# Altium PCB 智能马桶综合检测台V1.0.PcbDoc (part 5 of 10) (continued)
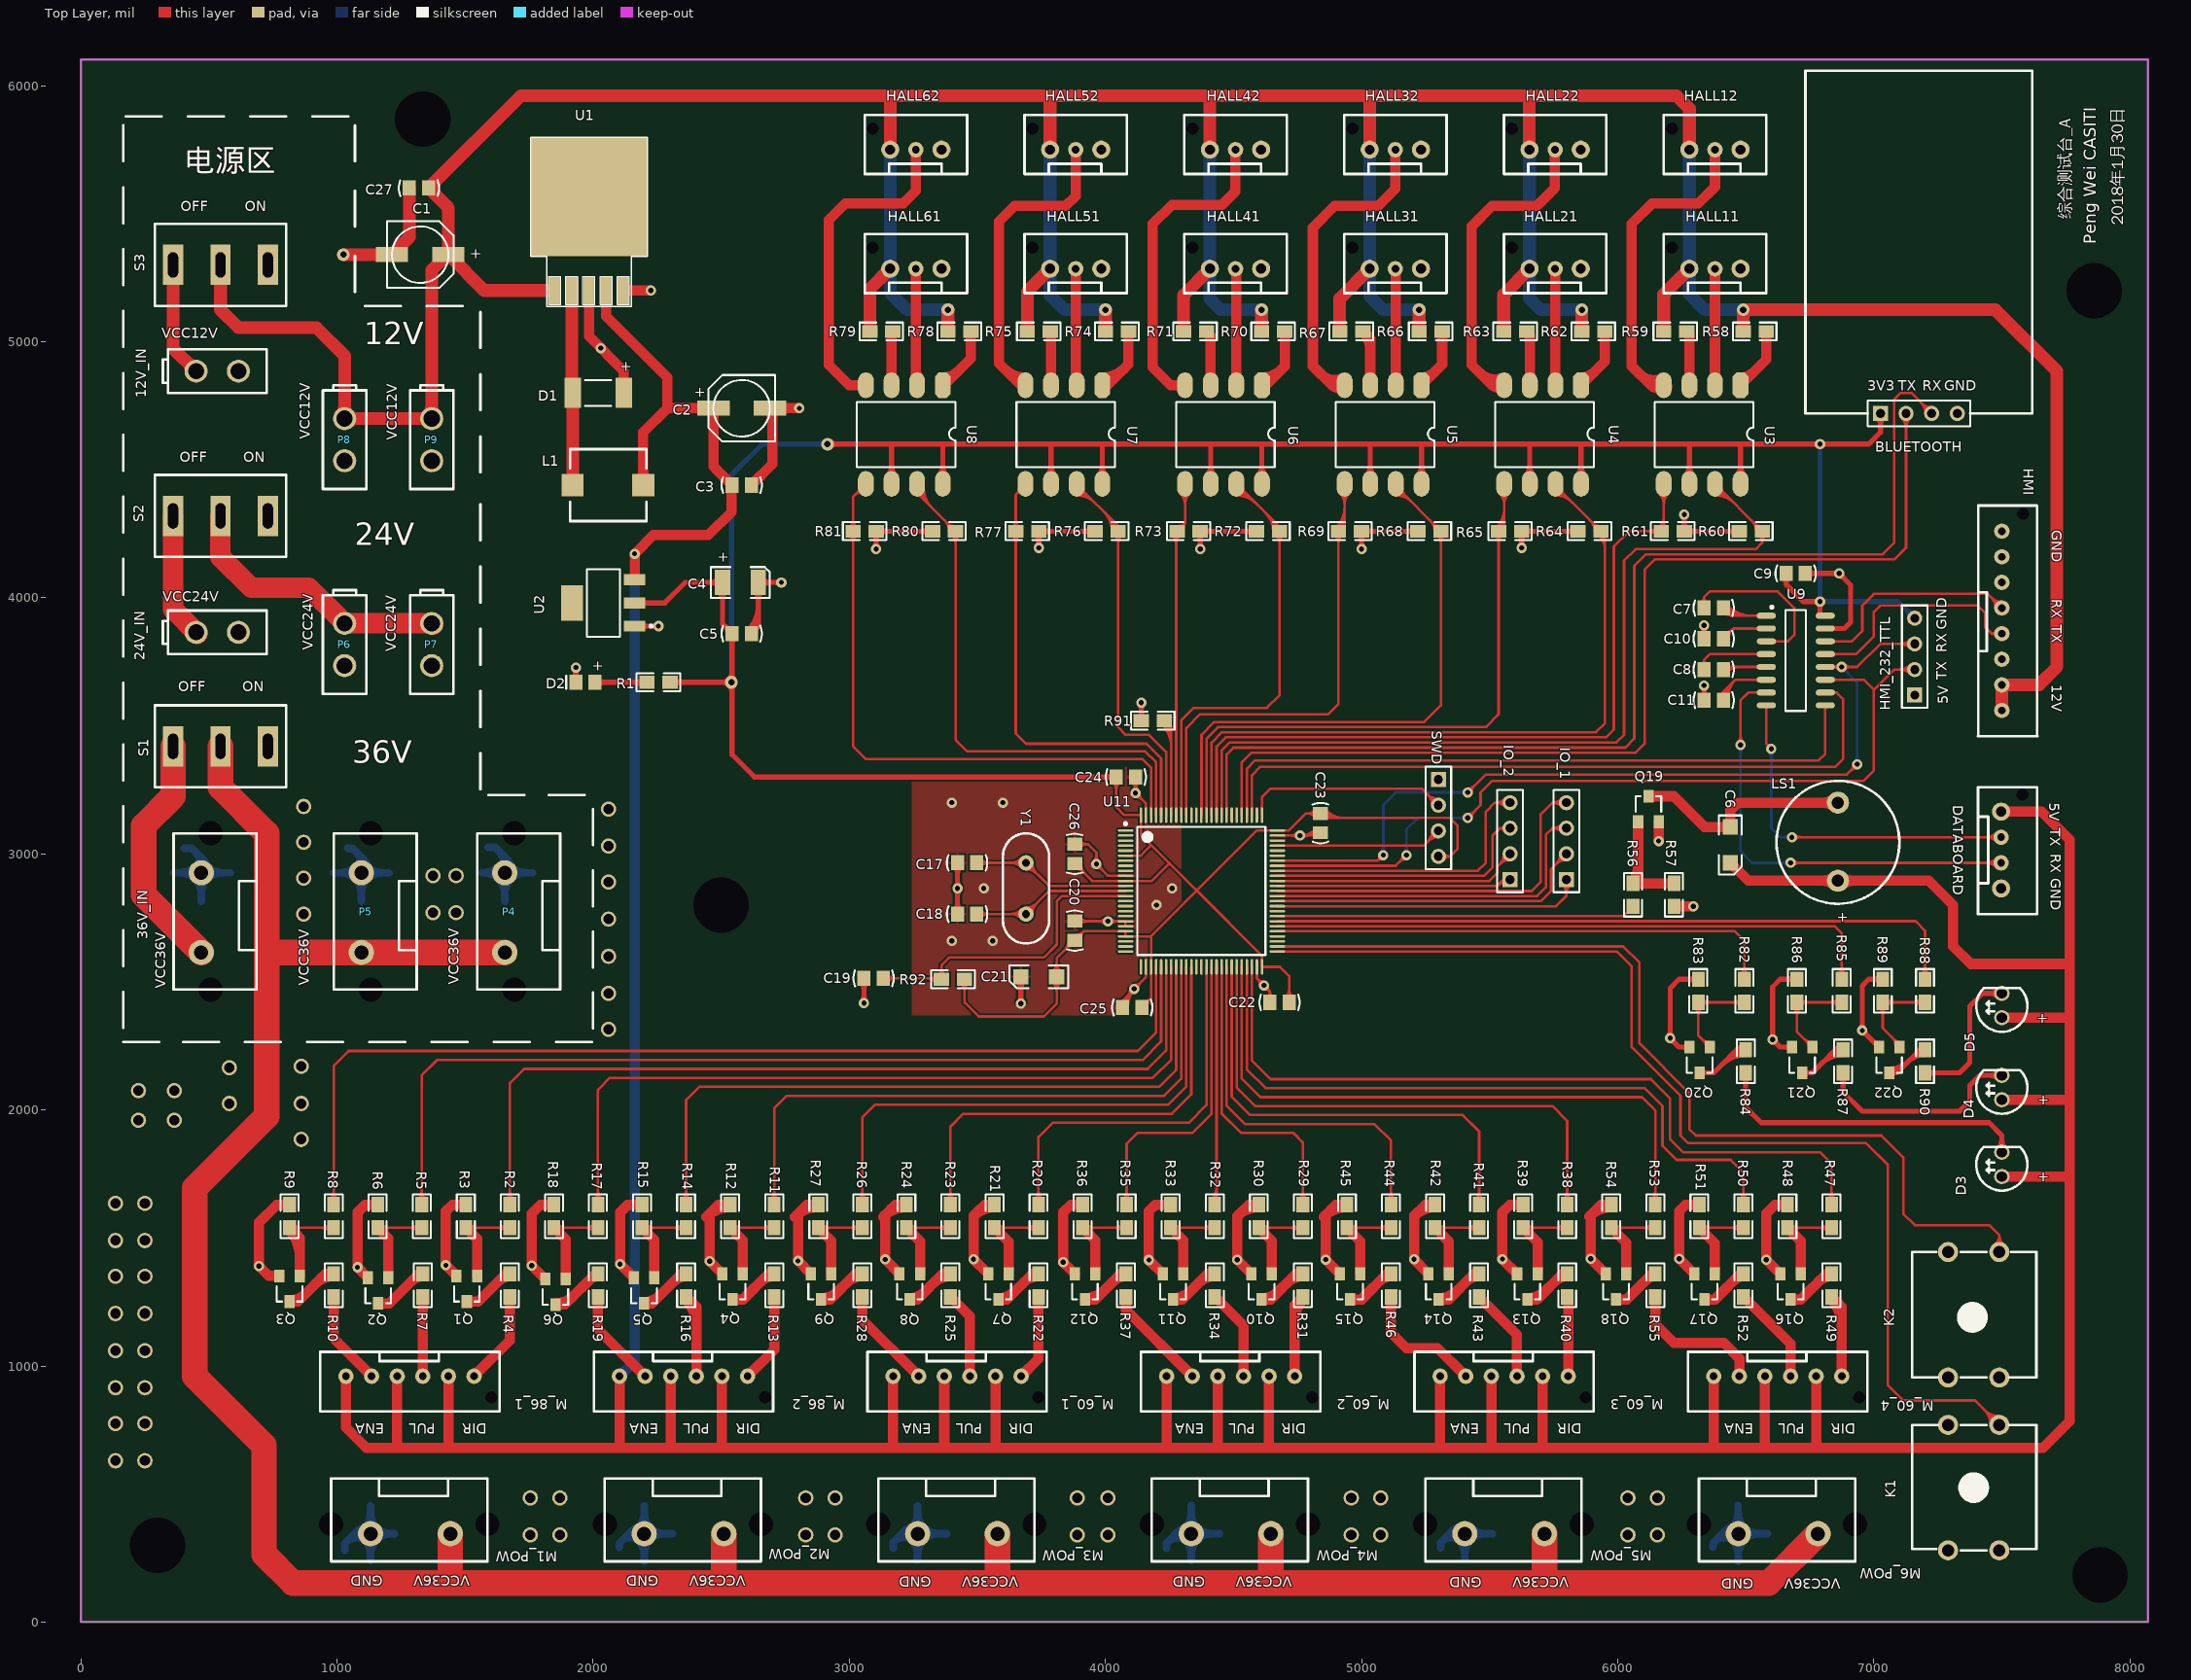
[diagram p0: Top Layer view]
## Nets (pads, with @x,y where several pads share a name; then routed paths per layer and width w, separated by ;. In a path a pad name is that pad's centre, name@x,y a point inside that pad or via, vN(x,y) a via of type N, cw(c..) or ccw(c..) an arc to the next point about the centre after c; other vN are vias at no path point) (continued)
HALL_21_IN: HALL21.2 U4.2 | length 455.4
  Top Layer w40: HALL21.2@5756,5285 5757,5284 U4.2@5757,4830
HALL_22: R65.2 U4.5 U11.87 | length 4959.9
  Top Layer w10: U11.87@4394.69,3151.26 4394.69,3449.69 4440,3495 5485,3495 5535,3545 R65.2@5535,4260 5557,4282 U4.5@5557,4445 ; R65.2@5520.86,4245.86 cw(c5486.72,4211.72) 5535,4211.72 ; R65.2@5520.86,4245.86 cw(c5486.72,4211.72) 5535,4211.72 ; R65.2@5520.86,4245.86 cw(c5486.72,4211.72) 5535,4211.72 ; R65.2@5520.86,4245.86 cw(c5486.72,4211.72) 5535,4211.72 ; R65.2@5520.86,4245.86 cw(c5486.72,4211.72) 5535,4211.72 ; R65.2@5520.86,4245.86 cw(c5486.72,4211.72) 5535,4211.72 ; R65.2@5525.86,4274.14 ccw(c5450.67,4349.33) 5557,4349.33 ; R65.2@5525.86,4274.14 ccw(c5450.67,4349.33) 5557,4349.33 ; R65.2@5525.86,4274.14 ccw(c5450.67,4349.33) 5557,4349.33 ; R65.2@5525.86,4274.14 ccw(c5450.67,4349.33) 5557,4349.33 ; R65.2@5525.86,4274.14 ccw(c5450.67,4349.33) 5557,4349.33 ; R65.2@5525.86,4274.14 ccw(c5450.67,4349.33) 5557,4349.33 ; R65.2@5532.93,4267.07 ccw(c5474.82,4325.18) 5557,4325.18 ; R65.2@5532.93,4267.07 ccw(c5474.82,4325.18) 5557,4325.18 ; R65.2@5532.93,4267.07 ccw(c5474.82,4325.18) 5557,4325.18 ; R65.2@5532.93,4267.07 ccw(c5474.82,4325.18) 5557,4325.18 ; R65.2@5532.93,4267.07 ccw(c5474.82,4325.18) 5557,4325.18 ; R65.2@5532.93,4267.07 ccw(c5474.82,4325.18) 5557,4325.18 ; 5535,4211.72 cw(c5583.28,4211.72) R65.2@5549.14,4245.86 ; 5535,4211.72 cw(c5583.28,4211.72) R65.2@5549.14,4245.86 ; 5535,4211.72 cw(c5583.28,4211.72) R65.2@5549.14,4245.86 ; 5535,4211.72 cw(c5583.28,4211.72) R65.2@5549.14,4245.86 ; 5535,4211.72 cw(c5583.28,4211.72) R65.2@5549.14,4245.86 ; 5535,4211.72 cw(c5583.28,4211.72) R65.2@5549.14,4245.86 ; U4.5@5538.62,4407.62 cw(c5494.23,4363.23) 5557,4363.23 ; U4.5@5538.62,4407.62 cw(c5494.23,4363.23) 5557,4363.23 ; U4.5@5538.62,4407.62 cw(c5494.23,4363.23) 5557,4363.23 ; U4.5@5538.62,4407.62 cw(c5494.23,4363.23) 5557,4363.23 ; U4.5@5538.62,4407.62 cw(c5494.23,4363.23) 5557,4363.23 ; U4.5@5538.62,4407.62 cw(c5494.23,4363.23) 5557,4363.23 ; R65.2@5540,4260 ccw(c5498.96,4301.04) 5557,4301.04 ; R65.2@5540,4260 ccw(c5498.96,4301.04) 5557,4301.04 ; R65.2@5540,4260 ccw(c5498.96,4301.04) 5557,4301.04 ; R65.2@5540,4260 ccw(c5498.96,4301.04) 5557,4301.04 ; R65.2@5540,4260 ccw(c5498.96,4301.04) 5557,4301.04 ; R65.2@5540,4260 ccw(c5498.96,4301.04) 5557,4301.04 ; U4.5@5545.69,4414.69 cw(c5518.37,4387.37) 5557,4387.37 ; U4.5@5545.69,4414.69 cw(c5518.37,4387.37) 5557,4387.37 ; U4.5@5545.69,4414.69 cw(c5518.37,4387.37) 5557,4387.37 ; U4.5@5545.69,4414.69 cw(c5518.37,4387.37) 5557,4387.37 ; U4.5@5545.69,4414.69 cw(c5518.37,4387.37) 5557,4387.37 ; U4.5@5545.69,4414.69 cw(c5518.37,4387.37) 5557,4387.37 ; 5557,4363.23 cw(c5619.77,4363.23) U4.5@5575.38,4407.62 ; 5557,4363.23 cw(c5619.77,4363.23) U4.5@5575.38,4407.62 ; 5557,4363.23 cw(c5619.77,4363.23) U4.5@5575.38,4407.62 ; 5557,4363.23 cw(c5619.77,4363.23) U4.5@5575.38,4407.62 ; 5557,4363.23 cw(c5619.77,4363.23) U4.5@5575.38,4407.62 ; 5557,4363.23 cw(c5619.77,4363.23) U4.5@5575.38,4407.62 ; 5557,4387.37 cw(c5595.63,4387.37) U4.5@5568.31,4414.69 ; 5557,4387.37 cw(c5595.63,4387.37) U4.5@5568.31,4414.69 ; 5557,4387.37 cw(c5595.63,4387.37) U4.5@5568.31,4414.69 ; 5557,4387.37 cw(c5595.63,4387.37) U4.5@5568.31,4414.69 ; 5557,4387.37 cw(c5595.63,4387.37) U4.5@5568.31,4414.69 ; 5557,4387.37 cw(c5595.63,4387.37) U4.5@5568.31,4414.69
HALL_22_IN: HALL22.2 U4.4 | length 2218.4
  Top Layer w40: U4.4@5562,4830 5510,4830 5430,4910 5430,5450 5510,5530 5685,5530 5755,5600 5755,5735 HALL22.2@5756,5736 ; 5463,4877 ccw(c5521.23,4935.23) U4.4@5552.79,4859.16 ; 5463,4877 ccw(c5521.23,4935.23) U4.4@5552.79,4859.16 ; 5463,4877 ccw(c5521.23,4935.23) U4.4@5552.79,4859.16 ; 5463,4877 ccw(c5521.23,4935.23) U4.4@5552.79,4859.16 ; 5463,4877 ccw(c5521.23,4935.23) U4.4@5552.79,4859.16 ; 5463,4877 ccw(c5521.23,4935.23) U4.4@5552.79,4859.16 ; 5505.31,4834.69 ccw(c5546.04,4875.42) U4.4@5568.11,4822.21 ; 5505.31,4834.69 ccw(c5546.04,4875.42) U4.4@5568.11,4822.21 ; 5505.31,4834.69 ccw(c5546.04,4875.42) U4.4@5568.11,4822.21 ; 5505.31,4834.69 ccw(c5546.04,4875.42) U4.4@5568.11,4822.21 ; 5505.31,4834.69 ccw(c5546.04,4875.42) U4.4@5568.11,4822.21 ; 5505.31,4834.69 ccw(c5546.04,4875.42) U4.4@5568.11,4822.21
HALL_31: R68.2 U5.7 U11.88 | length 4175.9
  Top Layer w10: U11.88@4375,3151.26 4375,3465 4425,3515 5245,3515 5310,3580 R68.2@5310,4260 5134,4436 U5.7@5134,4445 ; U5.7@5134,4400 cw(c5134,4313.09) 5195.46,4374.54 ; U5.7@5134,4400 cw(c5134,4313.09) 5195.46,4374.54 ; U5.7@5134,4400 cw(c5134,4313.09) 5195.46,4374.54 ; U5.7@5134,4400 cw(c5134,4313.09) 5195.46,4374.54 ; U5.7@5134,4400 cw(c5134,4313.09) 5195.46,4374.54 ; U5.7@5134,4400 cw(c5134,4313.09) 5195.46,4374.54 ; U5.7@5134,4410 cw(c5134,4347.23) 5178.38,4391.62 ; U5.7@5134,4410 cw(c5134,4347.23) 5178.38,4391.62 ; U5.7@5134,4410 cw(c5134,4347.23) 5178.38,4391.62 ; U5.7@5134,4410 cw(c5134,4347.23) 5178.38,4391.62 ; U5.7@5134,4410 cw(c5134,4347.23) 5178.38,4391.62 ; U5.7@5134,4410 cw(c5134,4347.23) 5178.38,4391.62 ; U5.7@5134,4420 cw(c5134,4381.37) 5161.31,4408.69 ; U5.7@5134,4420 cw(c5134,4381.37) 5161.31,4408.69 ; U5.7@5134,4420 cw(c5134,4381.37) 5161.31,4408.69 ; U5.7@5134,4420 cw(c5134,4381.37) 5161.31,4408.69 ; U5.7@5134,4420 cw(c5134,4381.37) 5161.31,4408.69 ; U5.7@5134,4420 cw(c5134,4381.37) 5161.31,4408.69 ; U5.7@5160,4426 ccw(c5198.63,4426) 5171.31,4398.69 ; U5.7@5160,4426 ccw(c5198.63,4426) 5171.31,4398.69 ; U5.7@5160,4426 ccw(c5198.63,4426) 5171.31,4398.69 ; U5.7@5160,4426 ccw(c5198.63,4426) 5171.31,4398.69 ; U5.7@5160,4426 ccw(c5198.63,4426) 5171.31,4398.69 ; U5.7@5160,4426 ccw(c5198.63,4426) 5171.31,4398.69 ; 5267.32,4302.68 cw(c5224.64,4260) R68.2@5285,4260 ; 5267.32,4302.68 cw(c5224.64,4260) R68.2@5285,4260 ; 5267.32,4302.68 cw(c5224.64,4260) R68.2@5285,4260 ; 5267.32,4302.68 cw(c5224.64,4260) R68.2@5285,4260 ; 5279.39,4290.61 ccw(c5305,4316.21) R68.2@5305,4280 ; 5279.39,4290.61 ccw(c5305,4316.21) R68.2@5305,4280 ; 5279.39,4290.61 ccw(c5305,4316.21) R68.2@5305,4280 ; 5279.39,4290.61 ccw(c5305,4316.21) R68.2@5305,4280 ; 5284.39,4285.61 cw(c5258.79,4260) R68.2@5295,4260 ; 5284.39,4285.61 cw(c5258.79,4260) R68.2@5295,4260 ; 5284.39,4285.61 cw(c5258.79,4260) R68.2@5295,4260 ; 5284.39,4285.61 cw(c5258.79,4260) R68.2@5295,4260 ; R68.2@5295.86,4245.86 cw(c5261.72,4211.72) 5310,4211.72 ; R68.2@5295.86,4245.86 cw(c5261.72,4211.72) 5310,4211.72 ; R68.2@5295.86,4245.86 cw(c5261.72,4211.72) 5310,4211.72 ; R68.2@5295.86,4245.86 cw(c5261.72,4211.72) 5310,4211.72 ; R68.2@5295.86,4245.86 cw(c5261.72,4211.72) 5310,4211.72 ; R68.2@5295.86,4245.86 cw(c5261.72,4211.72) 5310,4211.72 ; 5310,4211.72 cw(c5358.28,4211.72) R68.2@5324.14,4245.86 ; 5310,4211.72 cw(c5358.28,4211.72) R68.2@5324.14,4245.86 ; 5310,4211.72 cw(c5358.28,4211.72) R68.2@5324.14,4245.86 ; 5310,4211.72 cw(c5358.28,4211.72) R68.2@5324.14,4245.86 ; 5310,4211.72 cw(c5358.28,4211.72) R68.2@5324.14,4245.86 ; 5310,4211.72 cw(c5358.28,4211.72) R68.2@5324.14,4245.86
HALL_31_IN: HALL31.2 U5.2 | length 453
  Top Layer w40: U5.2@5134,4830 HALL31.2@5134,5283
HALL_32: R69.2 U5.5 U11.91 | length 4737.6
  Top Layer w10: U11.91@4315.94,3151.26 4315.94,3490.94 4370,3545 4870,3545 4910,3585 R69.2@4910,4260 4934,4284 U5.5@4934,4445 U5.5@4910,4421 ; R69.2@4895.86,4245.86 cw(c4861.72,4211.72) 4910,4211.72 ; R69.2@4895.86,4245.86 cw(c4861.72,4211.72) 4910,4211.72 ; R69.2@4895.86,4245.86 cw(c4861.72,4211.72) 4910,4211.72 ; R69.2@4895.86,4245.86 cw(c4861.72,4211.72) 4910,4211.72 ; R69.2@4895.86,4245.86 cw(c4861.72,4211.72) 4910,4211.72 ; R69.2@4895.86,4245.86 cw(c4861.72,4211.72) 4910,4211.72 ; R69.2@4900.86,4274.14 ccw(c4820.85,4354.15) 4934,4354.15 ; R69.2@4900.86,4274.14 ccw(c4820.85,4354.15) 4934,4354.15 ; R69.2@4900.86,4274.14 ccw(c4820.85,4354.15) 4934,4354.15 ; R69.2@4900.86,4274.14 ccw(c4820.85,4354.15) 4934,4354.15 ; R69.2@4900.86,4274.14 ccw(c4820.85,4354.15) 4934,4354.15 ; R69.2@4900.86,4274.14 ccw(c4820.85,4354.15) 4934,4354.15 ; R69.2@4907.93,4267.07 ccw(c4844.99,4330.01) 4934,4330.01 ; R69.2@4907.93,4267.07 ccw(c4844.99,4330.01) 4934,4330.01 ; R69.2@4907.93,4267.07 ccw(c4844.99,4330.01) 4934,4330.01 ; R69.2@4907.93,4267.07 ccw(c4844.99,4330.01) 4934,4330.01 ; R69.2@4907.93,4267.07 ccw(c4844.99,4330.01) 4934,4330.01 ; R69.2@4907.93,4267.07 ccw(c4844.99,4330.01) 4934,4330.01 ; 4910,4211.72 cw(c4958.28,4211.72) R69.2@4924.14,4245.86 ; 4910,4211.72 cw(c4958.28,4211.72) R69.2@4924.14,4245.86 ; 4910,4211.72 cw(c4958.28,4211.72) R69.2@4924.14,4245.86 ; 4910,4211.72 cw(c4958.28,4211.72) R69.2@4924.14,4245.86 ; 4910,4211.72 cw(c4958.28,4211.72) R69.2@4924.14,4245.86 ; 4910,4211.72 cw(c4958.28,4211.72) R69.2@4924.14,4245.86 ; R69.2@4915,4260 ccw(c4869.13,4305.87) 4934,4305.87 ; R69.2@4915,4260 ccw(c4869.13,4305.87) 4934,4305.87 ; R69.2@4915,4260 ccw(c4869.13,4305.87) 4934,4305.87 ; R69.2@4915,4260 ccw(c4869.13,4305.87) 4934,4305.87 ; R69.2@4915,4260 ccw(c4869.13,4305.87) 4934,4305.87 ; R69.2@4915,4260 ccw(c4869.13,4305.87) 4934,4305.87 ; U5.5@4915.62,4407.62 cw(c4871.23,4363.23) 4934,4363.23 ; U5.5@4915.62,4407.62 cw(c4871.23,4363.23) 4934,4363.23 ; U5.5@4915.62,4407.62 cw(c4871.23,4363.23) 4934,4363.23 ; U5.5@4915.62,4407.62 cw(c4871.23,4363.23) 4934,4363.23 ; U5.5@4915.62,4407.62 cw(c4871.23,4363.23) 4934,4363.23 ; U5.5@4915.62,4407.62 cw(c4871.23,4363.23) 4934,4363.23 ; R69.2@4922.07,4252.93 ccw(c4893.27,4281.73) R69.2@4934,4281.73 ; R69.2@4922.07,4252.93 ccw(c4893.27,4281.73) R69.2@4934,4281.73 ; R69.2@4922.07,4252.93 ccw(c4893.27,4281.73) R69.2@4934,4281.73 ; R69.2@4922.07,4252.93 ccw(c4893.27,4281.73) R69.2@4934,4281.73 ; R69.2@4922.07,4252.93 ccw(c4893.27,4281.73) R69.2@4934,4281.73 ; R69.2@4922.07,4252.93 ccw(c4893.27,4281.73) R69.2@4934,4281.73 ; U5.5@4922.69,4414.69 cw(c4895.37,4387.37) 4934,4387.37 ; U5.5@4922.69,4414.69 cw(c4895.37,4387.37) 4934,4387.37 ; U5.5@4922.69,4414.69 cw(c4895.37,4387.37) 4934,4387.37 ; U5.5@4922.69,4414.69 cw(c4895.37,4387.37) 4934,4387.37 ; U5.5@4922.69,4414.69 cw(c4895.37,4387.37) 4934,4387.37 ; U5.5@4922.69,4414.69 cw(c4895.37,4387.37) 4934,4387.37 ; 4934,4363.23 cw(c4996.77,4363.23) U5.5@4952.38,4407.62 ; 4934,4363.23 cw(c4996.77,4363.23) U5.5@4952.38,4407.62 ; 4934,4363.23 cw(c4996.77,4363.23) U5.5@4952.38,4407.62 ; 4934,4363.23 cw(c4996.77,4363.23) U5.5@4952.38,4407.62 ; 4934,4363.23 cw(c4996.77,4363.23) U5.5@4952.38,4407.62 ; 4934,4363.23 cw(c4996.77,4363.23) U5.5@4952.38,4407.62 ; 4934,4387.37 cw(c4972.63,4387.37) U5.5@4945.31,4414.69 ; 4934,4387.37 cw(c4972.63,4387.37) U5.5@4945.31,4414.69 ; 4934,4387.37 cw(c4972.63,4387.37) U5.5@4945.31,4414.69 ; 4934,4387.37 cw(c4972.63,4387.37) U5.5@4945.31,4414.69 ; 4934,4387.37 cw(c4972.63,4387.37) U5.5@4945.31,4414.69 ; 4934,4387.37 cw(c4972.63,4387.37) U5.5@4945.31,4414.69
HALL_32_IN: HALL32.2 U5.4 | length 2222.2
  Top Layer w40: U5.4@4944,4830 4885,4830 4810,4905 4810,5445 4895,5530 5065,5530 5132,5597 HALL32.2@5132,5750 ; 4844,4871 ccw(c4894.64,4921.64) U5.4@4928.76,4858.67 ; 4844,4871 ccw(c4894.64,4921.64) U5.4@4928.76,4858.67 ; 4844,4871 ccw(c4894.64,4921.64) U5.4@4928.76,4858.67 ; 4844,4871 ccw(c4894.64,4921.64) U5.4@4928.76,4858.67 ; 4844,4871 ccw(c4894.64,4921.64) U5.4@4928.76,4858.67 ; 4844,4871 ccw(c4894.64,4921.64) U5.4@4928.76,4858.67 ; 4881.91,4833.09 ccw(c4921.29,4872.46) U5.4@4947.82,4823.5 ; 4881.91,4833.09 ccw(c4921.29,4872.46) U5.4@4947.82,4823.5 ; 4881.91,4833.09 ccw(c4921.29,4872.46) U5.4@4947.82,4823.5 ; 4881.91,4833.09 ccw(c4921.29,4872.46) U5.4@4947.82,4823.5 ; 4881.91,4833.09 ccw(c4921.29,4872.46) U5.4@4947.82,4823.5 ; 4881.91,4833.09 ccw(c4921.29,4872.46) U5.4@4947.82,4823.5
HALL_41: R72.2 U6.7 U11.92 | length 4052.2
  Top Layer w10: U11.92@4296.26,3151.26 4296.26,3521.26 4345,3570 4630,3570 4680,3620 4680,4276 U6.7@4511,4445 ; U6.7@4511,4400 cw(c4511,4291.36) 4587.82,4368.18 ; U6.7@4511,4400 cw(c4511,4291.36) 4587.82,4368.18 ; U6.7@4511,4400 cw(c4511,4291.36) 4587.82,4368.18 ; U6.7@4511,4400 cw(c4511,4291.36) 4587.82,4368.18 ; U6.7@4511,4410 cw(c4511,4325.5) 4570.75,4385.25 ; U6.7@4511,4410 cw(c4511,4325.5) 4570.75,4385.25 ; U6.7@4511,4410 cw(c4511,4325.5) 4570.75,4385.25 ; U6.7@4511,4410 cw(c4511,4325.5) 4570.75,4385.25 ; U6.7@4511,4420 cw(c4511,4359.64) 4553.68,4402.32 ; U6.7@4511,4420 cw(c4511,4359.64) 4553.68,4402.32 ; U6.7@4511,4420 cw(c4511,4359.64) 4553.68,4402.32 ; U6.7@4511,4420 cw(c4511,4359.64) 4553.68,4402.32 ; U6.7@4537,4426 ccw(c4553.9,4426) 4541.95,4414.05 ; U6.7@4537,4426 ccw(c4553.9,4426) 4541.95,4414.05 ; U6.7@4537,4426 ccw(c4553.9,4426) 4541.95,4414.05 ; U6.7@4537,4426 ccw(c4553.9,4426) 4541.95,4414.05 ; 4626.01,4329.99 cw(c4556.02,4260) R72.2@4655,4260 ; 4626.01,4329.99 cw(c4556.02,4260) R72.2@4655,4260 ; 4626.01,4329.99 cw(c4556.02,4260) R72.2@4655,4260 ; 4626.01,4329.99 cw(c4556.02,4260) R72.2@4655,4260 ; 4626.01,4329.99 cw(c4556.02,4260) R72.2@4655,4260 ; 4626.01,4329.99 cw(c4556.02,4260) R72.2@4655,4260 ; 4643.08,4312.92 cw(c4590.16,4260) R72.2@4665,4260 ; 4643.08,4312.92 cw(c4590.16,4260) R72.2@4665,4260 ; 4643.08,4312.92 cw(c4590.16,4260) R72.2@4665,4260 ; 4643.08,4312.92 cw(c4590.16,4260) R72.2@4665,4260 ; 4643.08,4312.92 cw(c4590.16,4260) R72.2@4665,4260 ; 4643.08,4312.92 cw(c4590.16,4260) R72.2@4665,4260 ; 4660.15,4295.85 cw(c4624.3,4260) R72.2@4675,4260 ; 4660.15,4295.85 cw(c4624.3,4260) R72.2@4675,4260 ; 4660.15,4295.85 cw(c4624.3,4260) R72.2@4675,4260 ; 4660.15,4295.85 cw(c4624.3,4260) R72.2@4675,4260 ; 4660.15,4295.85 cw(c4624.3,4260) R72.2@4675,4260 ; 4660.15,4295.85 cw(c4624.3,4260) R72.2@4675,4260 ; R72.2@4665.86,4245.86 cw(c4631.72,4211.72) 4680,4211.72 ; R72.2@4665.86,4245.86 cw(c4631.72,4211.72) 4680,4211.72 ; R72.2@4665.86,4245.86 cw(c4631.72,4211.72) 4680,4211.72 ; R72.2@4665.86,4245.86 cw(c4631.72,4211.72) 4680,4211.72 ; R72.2@4665.86,4245.86 cw(c4631.72,4211.72) 4680,4211.72 ; R72.2@4665.86,4245.86 cw(c4631.72,4211.72) 4680,4211.72 ; 4680,4211.72 cw(c4728.28,4211.72) R72.2@4694.14,4245.86 ; 4680,4211.72 cw(c4728.28,4211.72) R72.2@4694.14,4245.86 ; 4680,4211.72 cw(c4728.28,4211.72) R72.2@4694.14,4245.86 ; 4680,4211.72 cw(c4728.28,4211.72) R72.2@4694.14,4245.86 ; 4680,4211.72 cw(c4728.28,4211.72) R72.2@4694.14,4245.86 ; 4680,4211.72 cw(c4728.28,4211.72) R72.2@4694.14,4245.86
HALL_41_IN: HALL41.2 U6.2 | length 618.3
  Top Layer w40: HALL41.2@4508,5285 4511,5282 U6.2@4511,4830 ; HALL41.2@4500.93,5277.93 cw(c4476.62,5253.62) 4511,5253.62 ; HALL41.2@4500.93,5277.93 cw(c4476.62,5253.62) 4511,5253.62 ; HALL41.2@4500.93,5277.93 cw(c4476.62,5253.62) 4511,5253.62 ; HALL41.2@4500.93,5277.93 cw(c4476.62,5253.62) 4511,5253.62 ; HALL41.2@4500.93,5277.93 cw(c4476.62,5253.62) 4511,5253.62 ; HALL41.2@4500.93,5277.93 cw(c4476.62,5253.62) 4511,5253.62
HALL_42: R73.2 U6.5 U11.93 | length 3082.7
  Top Layer w10: U11.93@4276.57,3151.26 4276.57,4256.57 4311,4291 ; U6.5@4311,4445 4311,4291 ; R73.2@4260.86,4245.86 cw(c4222.91,4207.91) 4276.57,4207.91 ; R73.2@4260.86,4245.86 cw(c4222.91,4207.91) 4276.57,4207.91 ; R73.2@4260.86,4245.86 cw(c4222.91,4207.91) 4276.57,4207.91 ; R73.2@4260.86,4245.86 cw(c4222.91,4207.91) 4276.57,4207.91 ; R73.2@4260.86,4245.86 cw(c4222.91,4207.91) 4276.57,4207.91 ; R73.2@4260.86,4245.86 cw(c4222.91,4207.91) 4276.57,4207.91 ; R73.2@4267.93,4252.93 cw(c4247.06,4232.06) 4276.57,4232.06 ; R73.2@4267.93,4252.93 cw(c4247.06,4232.06) 4276.57,4232.06 ; R73.2@4267.93,4252.93 cw(c4247.06,4232.06) 4276.57,4232.06 ; R73.2@4267.93,4252.93 cw(c4247.06,4232.06) 4276.57,4232.06 ; R73.2@4267.93,4252.93 cw(c4247.06,4232.06) 4276.57,4232.06 ; R73.2@4267.93,4252.93 cw(c4247.06,4232.06) 4276.57,4232.06 ; 4276.57,4215.52 cw(c4319.48,4215.52) R73.2@4289.14,4245.86 ; 4276.57,4215.52 cw(c4319.48,4215.52) R73.2@4289.14,4245.86 ; 4276.57,4215.52 cw(c4319.48,4215.52) R73.2@4289.14,4245.86 ; 4276.57,4215.52 cw(c4319.48,4215.52) R73.2@4289.14,4245.86 ; 4276.57,4215.52 cw(c4319.48,4215.52) R73.2@4289.14,4245.86 ; 4276.57,4215.52 cw(c4319.48,4215.52) R73.2@4289.14,4245.86 ; R73.2@4285,4280 ccw(c4285,4316.21) 4310.61,4290.61 ; R73.2@4285,4280 ccw(c4285,4316.21) 4310.61,4290.61 ; R73.2@4285,4280 ccw(c4285,4316.21) 4310.61,4290.61 ; R73.2@4285,4280 ccw(c4285,4316.21) 4310.61,4290.61 ; U6.5@4292.62,4407.62 cw(c4248.23,4363.23) 4311,4363.23 ; U6.5@4292.62,4407.62 cw(c4248.23,4363.23) 4311,4363.23 ; U6.5@4292.62,4407.62 cw(c4248.23,4363.23) 4311,4363.23 ; U6.5@4292.62,4407.62 cw(c4248.23,4363.23) 4311,4363.23 ; U6.5@4292.62,4407.62 cw(c4248.23,4363.23) 4311,4363.23 ; U6.5@4292.62,4407.62 cw(c4248.23,4363.23) 4311,4363.23 ; U6.5@4299.69,4414.69 cw(c4272.37,4387.37) 4311,4387.37 ; U6.5@4299.69,4414.69 cw(c4272.37,4387.37) 4311,4387.37 ; U6.5@4299.69,4414.69 cw(c4272.37,4387.37) 4311,4387.37 ; U6.5@4299.69,4414.69 cw(c4272.37,4387.37) 4311,4387.37 ; U6.5@4299.69,4414.69 cw(c4272.37,4387.37) 4311,4387.37 ; U6.5@4299.69,4414.69 cw(c4272.37,4387.37) 4311,4387.37 ; R73.2@4304.27,4265.37 cw(c4329.58,4272.42) 4311,4291 ; R73.2@4304.27,4265.37 cw(c4329.58,4272.42) 4311,4291 ; R73.2@4304.27,4265.37 cw(c4329.58,4272.42) 4311,4291 ; R73.2@4304.27,4265.37 cw(c4329.58,4272.42) 4311,4291 ; 4311,4363.23 cw(c4373.77,4363.23) U6.5@4329.38,4407.62 ; 4311,4363.23 cw(c4373.77,4363.23) U6.5@4329.38,4407.62 ; 4311,4363.23 cw(c4373.77,4363.23) U6.5@4329.38,4407.62 ; 4311,4363.23 cw(c4373.77,4363.23) U6.5@4329.38,4407.62 ; 4311,4363.23 cw(c4373.77,4363.23) U6.5@4329.38,4407.62 ; 4311,4363.23 cw(c4373.77,4363.23) U6.5@4329.38,4407.62 ; 4311,4387.37 cw(c4349.63,4387.37) U6.5@4322.31,4414.69 ; 4311,4387.37 cw(c4349.63,4387.37) U6.5@4322.31,4414.69 ; 4311,4387.37 cw(c4349.63,4387.37) U6.5@4322.31,4414.69 ; 4311,4387.37 cw(c4349.63,4387.37) U6.5@4322.31,4414.69 ; 4311,4387.37 cw(c4349.63,4387.37) U6.5@4322.31,4414.69 ; 4311,4387.37 cw(c4349.63,4387.37) U6.5@4322.31,4414.69
HALL_42_IN: HALL42.2 U6.4 | length 1253
  Top Layer w40: U6.4@4311,4830 4255,4830 4185,4900 4185,5460 4260,5535 4455,5535 4508,5588 HALL42.2@4508,5750
HALL_51: R76.2 U7.7 U11.95 | length 4115.3
  Top Layer w10: U7.7@3888,4445 3888,4442 4050,4280 4050,3495 4080,3465 4170,3465 4237.2,3397.8 U11.95@4237.2,3151.26 ; U7.7@3888,4400 cw(c3888,4298.6) 3959.7,4370.3 ; U7.7@3888,4400 cw(c3888,4298.6) 3959.7,4370.3 ; U7.7@3888,4400 cw(c3888,4298.6) 3959.7,4370.3 ; U7.7@3888,4400 cw(c3888,4298.6) 3959.7,4370.3 ; U7.7@3888,4410 cw(c3888,4332.75) 3942.63,4387.37 ; U7.7@3888,4410 cw(c3888,4332.75) 3942.63,4387.37 ; U7.7@3888,4410 cw(c3888,4332.75) 3942.63,4387.37 ; U7.7@3888,4410 cw(c3888,4332.75) 3942.63,4387.37 ; U7.7@3888,4420 cw(c3888,4366.89) 3925.56,4404.44 ; U7.7@3888,4420 cw(c3888,4366.89) 3925.56,4404.44 ; U7.7@3888,4420 cw(c3888,4366.89) 3925.56,4404.44 ; U7.7@3888,4420 cw(c3888,4366.89) 3925.56,4404.44 ; U7.7@3914,4426 ccw(c3938.14,4426) 3921.07,4408.93 ; U7.7@3914,4426 ccw(c3938.14,4426) 3921.07,4408.93 ; U7.7@3914,4426 ccw(c3938.14,4426) 3921.07,4408.93 ; U7.7@3914,4426 ccw(c3938.14,4426) 3921.07,4408.93 ; 3993.18,4336.82 cw(c3916.36,4260) R76.2@4025,4260 ; 3993.18,4336.82 cw(c3916.36,4260) R76.2@4025,4260 ; 3993.18,4336.82 cw(c3916.36,4260) R76.2@4025,4260 ; 3993.18,4336.82 cw(c3916.36,4260) R76.2@4025,4260 ; 3993.18,4336.82 cw(c3916.36,4260) R76.2@4025,4260 ; 3993.18,4336.82 cw(c3916.36,4260) R76.2@4025,4260 ; 4010.25,4319.75 cw(c3950.5,4260) R76.2@4035,4260 ; 4010.25,4319.75 cw(c3950.5,4260) R76.2@4035,4260 ; 4010.25,4319.75 cw(c3950.5,4260) R76.2@4035,4260 ; 4010.25,4319.75 cw(c3950.5,4260) R76.2@4035,4260 ; 4010.25,4319.75 cw(c3950.5,4260) R76.2@4035,4260 ; 4010.25,4319.75 cw(c3950.5,4260) R76.2@4035,4260 ; 4027.32,4302.68 cw(c3984.64,4260) R76.2@4045,4260 ; 4027.32,4302.68 cw(c3984.64,4260) R76.2@4045,4260 ; 4027.32,4302.68 cw(c3984.64,4260) R76.2@4045,4260 ; 4027.32,4302.68 cw(c3984.64,4260) R76.2@4045,4260 ; 4027.32,4302.68 cw(c3984.64,4260) R76.2@4045,4260 ; 4027.32,4302.68 cw(c3984.64,4260) R76.2@4045,4260 ; R76.2@4035.86,4245.86 cw(c4001.72,4211.72) 4050,4211.72 ; R76.2@4035.86,4245.86 cw(c4001.72,4211.72) 4050,4211.72 ; R76.2@4035.86,4245.86 cw(c4001.72,4211.72) 4050,4211.72 ; R76.2@4035.86,4245.86 cw(c4001.72,4211.72) 4050,4211.72 ; R76.2@4035.86,4245.86 cw(c4001.72,4211.72) 4050,4211.72 ; R76.2@4035.86,4245.86 cw(c4001.72,4211.72) 4050,4211.72 ; 4044.39,4285.61 cw(c4018.79,4260) R76.2@4055,4260 ; 4044.39,4285.61 cw(c4018.79,4260) R76.2@4055,4260 ; 4044.39,4285.61 cw(c4018.79,4260) R76.2@4055,4260 ; 4044.39,4285.61 cw(c4018.79,4260) R76.2@4055,4260 ; 4044.39,4285.61 cw(c4018.79,4260) R76.2@4055,4260 ; 4044.39,4285.61 cw(c4018.79,4260) R76.2@4055,4260 ; 4050,4211.72 cw(c4098.28,4211.72) R76.2@4064.14,4245.86 ; 4050,4211.72 cw(c4098.28,4211.72) R76.2@4064.14,4245.86 ; 4050,4211.72 cw(c4098.28,4211.72) R76.2@4064.14,4245.86 ; 4050,4211.72 cw(c4098.28,4211.72) R76.2@4064.14,4245.86 ; 4050,4211.72 cw(c4098.28,4211.72) R76.2@4064.14,4245.86 ; 4050,4211.72 cw(c4098.28,4211.72) R76.2@4064.14,4245.86
HALL_51_IN: HALL51.2 U7.2 | length 646.2
  Top Layer w40: HALL51.2@3884,5285 3884,4834 U7.2@3888,4830 ; 3884,4885.21 ccw(c3924.21,4885.21) U7.2@3895.78,4856.78 ; 3884,4885.21 ccw(c3924.21,4885.21) U7.2@3895.78,4856.78 ; 3884,4885.21 ccw(c3924.21,4885.21) U7.2@3895.78,4856.78 ; 3884,4885.21 ccw(c3924.21,4885.21) U7.2@3895.78,4856.78 ; 3884,4885.21 ccw(c3924.21,4885.21) U7.2@3895.78,4856.78 ; 3884,4885.21 ccw(c3924.21,4885.21) U7.2@3895.78,4856.78
HALL_52: R77.2 U7.5 U11.96 | length 3050.1
  Top Layer w10: U7.5@3688,4445 3688,4440 3650,4402 3650,3470 3690,3430 4160,3430 4217.52,3372.48 U11.96@4217.52,3151.26 ; R77.2@3635.86,4245.86 cw(c3601.72,4211.72) 3650,4211.72 ; R77.2@3635.86,4245.86 cw(c3601.72,4211.72) 3650,4211.72 ; R77.2@3635.86,4245.86 cw(c3601.72,4211.72) 3650,4211.72 ; R77.2@3635.86,4245.86 cw(c3601.72,4211.72) 3650,4211.72 ; R77.2@3635.86,4245.86 cw(c3601.72,4211.72) 3650,4211.72 ; R77.2@3635.86,4245.86 cw(c3601.72,4211.72) 3650,4211.72 ; R77.2@3635.86,4274.14 ccw(c3601.72,4308.28) 3650,4308.28 ; R77.2@3635.86,4274.14 ccw(c3601.72,4308.28) 3650,4308.28 ; R77.2@3635.86,4274.14 ccw(c3601.72,4308.28) 3650,4308.28 ; R77.2@3635.86,4274.14 ccw(c3601.72,4308.28) 3650,4308.28 ; R77.2@3635.86,4274.14 ccw(c3601.72,4308.28) 3650,4308.28 ; R77.2@3635.86,4274.14 ccw(c3601.72,4308.28) 3650,4308.28 ; 3650,4211.72 cw(c3698.28,4211.72) R77.2@3664.14,4245.86 ; 3650,4211.72 cw(c3698.28,4211.72) R77.2@3664.14,4245.86 ; 3650,4211.72 cw(c3698.28,4211.72) R77.2@3664.14,4245.86 ; 3650,4211.72 cw(c3698.28,4211.72) R77.2@3664.14,4245.86 ; 3650,4211.72 cw(c3698.28,4211.72) R77.2@3664.14,4245.86 ; 3650,4211.72 cw(c3698.28,4211.72) R77.2@3664.14,4245.86 ; 3650,4308.28 ccw(c3698.28,4308.28) R77.2@3664.14,4274.14 ; 3650,4308.28 ccw(c3698.28,4308.28) R77.2@3664.14,4274.14 ; 3650,4308.28 ccw(c3698.28,4308.28) R77.2@3664.14,4274.14 ; 3650,4308.28 ccw(c3698.28,4308.28) R77.2@3664.14,4274.14 ; 3650,4308.28 ccw(c3698.28,4308.28) R77.2@3664.14,4274.14 ; 3650,4308.28 ccw(c3698.28,4308.28) R77.2@3664.14,4274.14 ; 3653.51,4405.51 ccw(c3633.03,4426) U7.5@3662,4426 ; 3653.51,4405.51 ccw(c3633.03,4426) U7.5@3662,4426 ; 3653.51,4405.51 ccw(c3633.03,4426) U7.5@3662,4426 ; 3653.51,4405.51 ccw(c3633.03,4426) U7.5@3662,4426 ; 3653.51,4405.51 ccw(c3633.03,4426) U7.5@3662,4426 ; 3653.51,4405.51 ccw(c3633.03,4426) U7.5@3662,4426 ; 3653.59,4405.59 cw(c3671.95,4387.22) U7.5@3681.88,4411.22 ; 3653.59,4405.59 cw(c3671.95,4387.22) U7.5@3681.88,4411.22 ; 3653.59,4405.59 cw(c3671.95,4387.22) U7.5@3681.88,4411.22 ; 3653.59,4405.59 cw(c3671.95,4387.22) U7.5@3681.88,4411.22 ; 3653.59,4405.59 cw(c3671.95,4387.22) U7.5@3681.88,4411.22 ; 3653.59,4405.59 cw(c3671.95,4387.22) U7.5@3681.88,4411.22
HALL_52_IN: HALL52.2 U7.4 | length 1760.3
  Top Layer w40: U7.4@3688,4830 3670,4830 3585,4915 3585,5470 3645,5530 3845,5530 3884,5569 HALL52.2@3884,5750 ; 3606.06,4893.94 ccw(c3688,4975.88) U7.4@3688,4860 ; 3606.06,4893.94 ccw(c3688,4975.88) U7.4@3688,4860 ; 3606.06,4893.94 ccw(c3688,4975.88) U7.4@3688,4860 ; 3606.06,4893.94 ccw(c3688,4975.88) U7.4@3688,4860 ; 3606.06,4893.94 ccw(c3688,4975.88) U7.4@3688,4860 ; 3606.06,4893.94 ccw(c3688,4975.88) U7.4@3688,4860